# KiCad board FD_new_testblock2.kicad_pcb (continued)
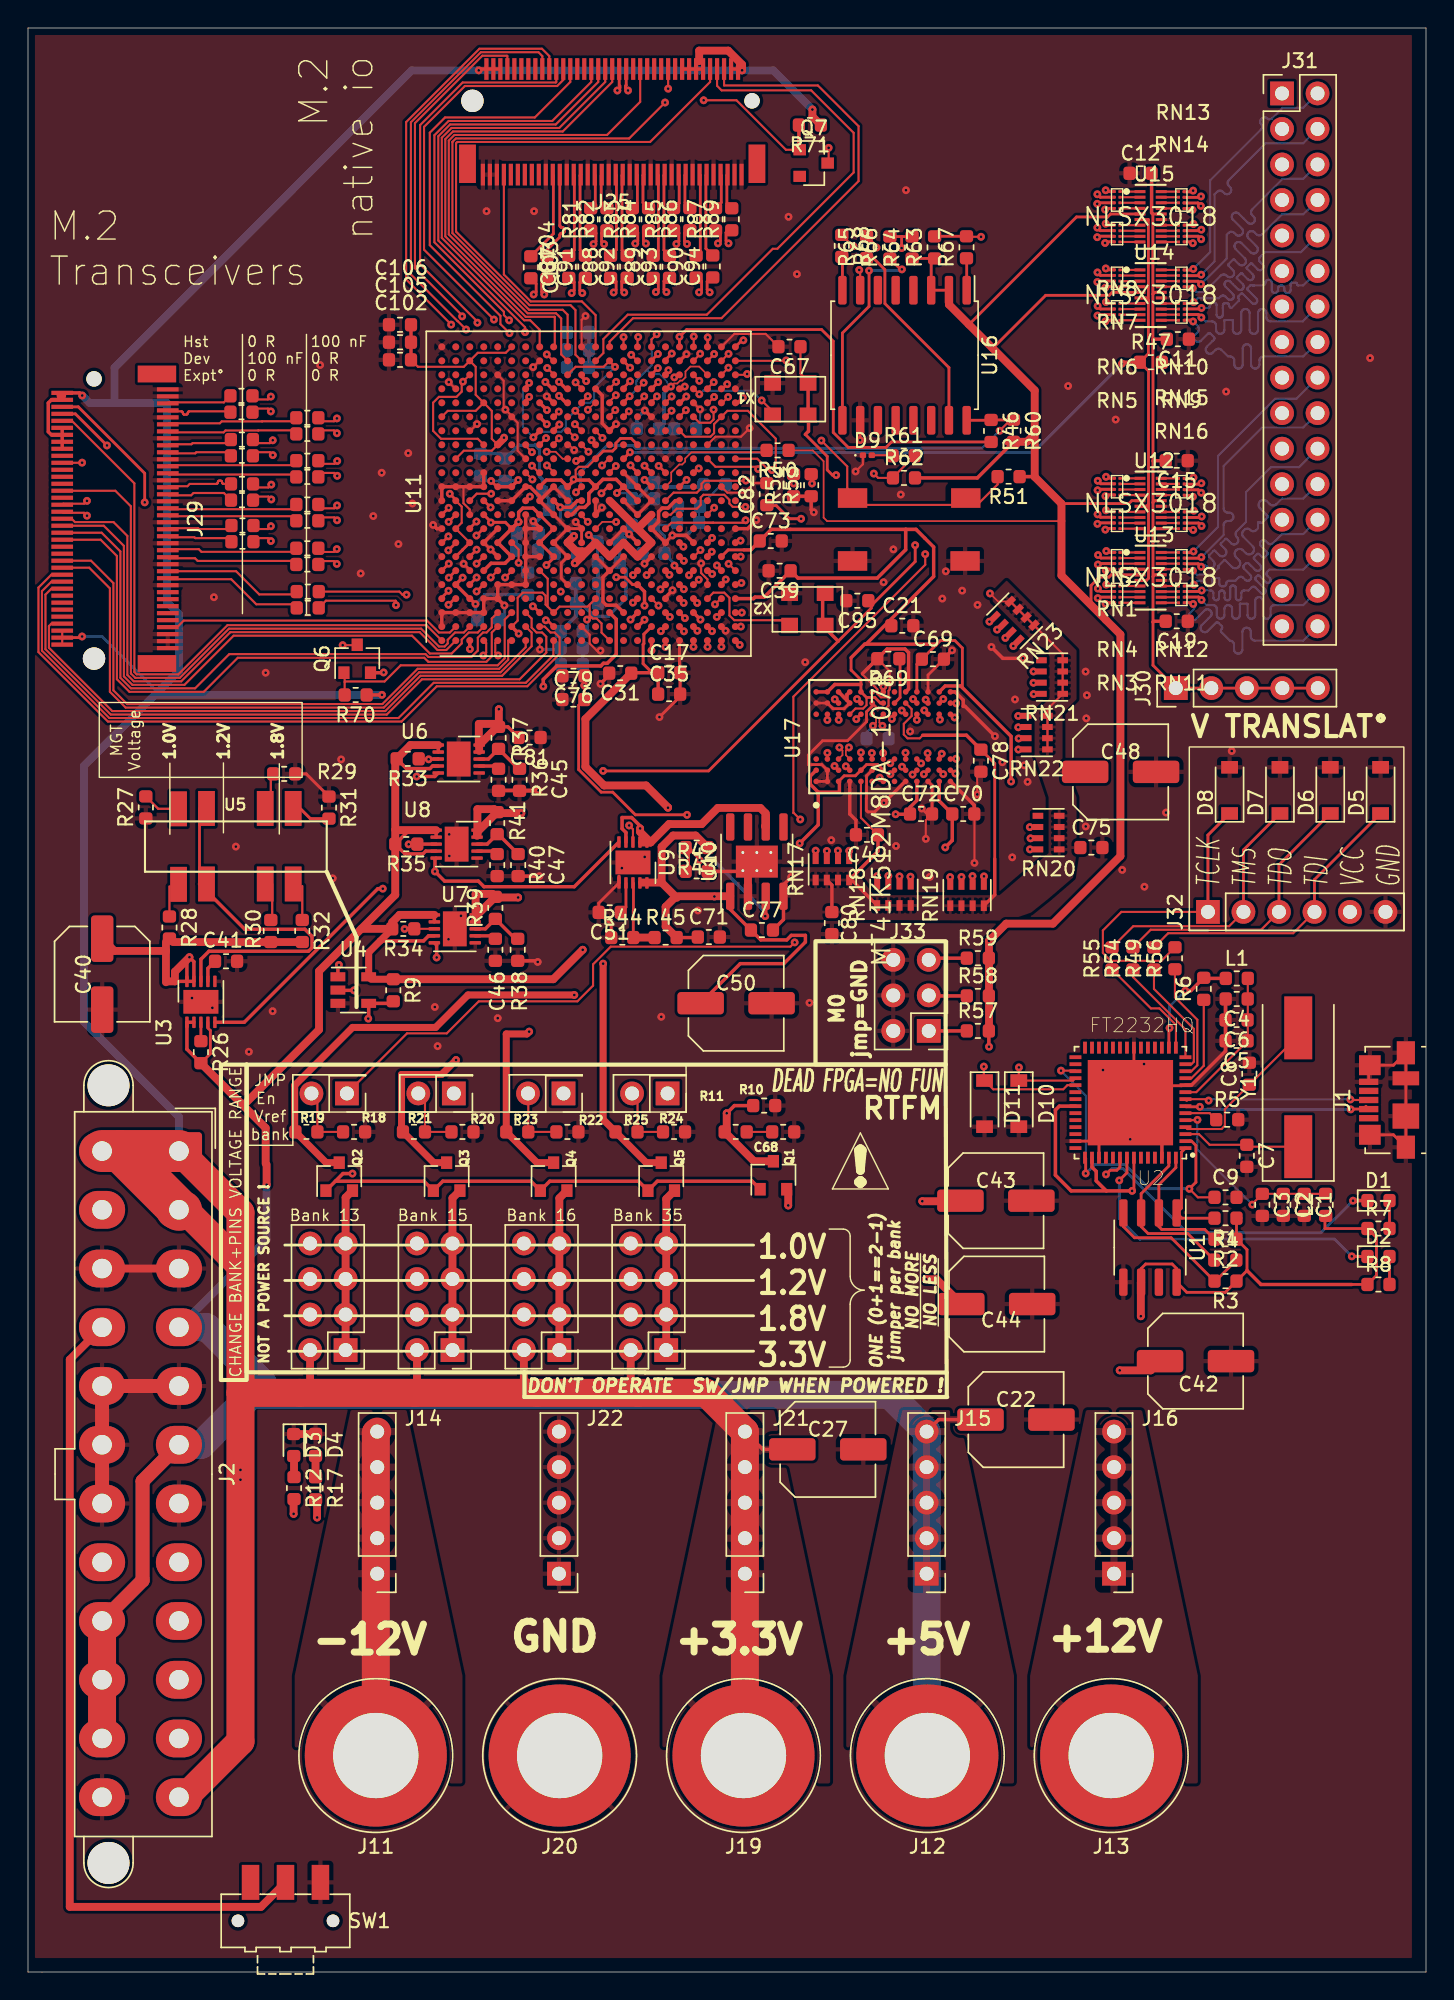
[diagram p0: board, top side]
## Routing (per net, layer and track width the routed paths; a pad name or vN(x,y) marks a point on that pad's centre or on a via; arc(x,y) is an arc through that point) (continued)
  vias: v1(45.81,114.53)
RN6_7: length 37.9
  Top w0.12: U11.V20 46.36,114.2 46.21,114.05
  Top w0.21: 77.71,120.91 76.56,120.91 v1(76.49,120.84)
  In2.Cu_SigDDR w0.15: v1(76.49,120.84) 76.12,120.47 76.11,120.46 76.09,120.45 76.07,120.45 76.05,120.45 76.03,120.45 76.01,120.46 75.98,120.49 75.96,120.5 75.94,120.5 75.92,120.5 75.9,120.5 75.88,120.49 75.87,120.47 75.57,120.18 75.56,120.16 75.55,120.14 75.55,120.13 75.55,120.1 75.55,120.08 75.56,120.07 75.57,120.05 75.64,119.99 75.63,119.98 75.8,119.81 75.83,119.77 75.86,119.72 75.87,119.67 75.87,119.61 75.86,119.56 75.83,119.51 75.8,119.47 75.72,119.39 75.67,119.35 75.63,119.33 75.57,119.32 75.52,119.32 75.47,119.33 75.42,119.35 75.33,119.42 75.29,119.44 75.23,119.45 75.18,119.45 75.13,119.44 75.08,119.42 75.04,119.39 71.94,116.29 64.58,116.29 64.56,116.29 64.55,116.3 64.54,116.31 64.53,116.32 64.52,116.33 64.51,116.34 64.51,116.38 64.5,116.39 64.49,116.4 64.48,116.42 64.47,116.42 64.46,116.43 64.44,116.43 63.98,116.43 63.96,116.43 63.95,116.42 63.94,116.42 63.93,116.4 63.92,116.39 63.91,116.38 63.91,116.36 63.91,116.19 63.91,116.17 63.9,116.15 63.89,116.13 63.87,116.12 63.86,116.11 63.84,116.1 63.81,116.1 63.41,116.1 63.38,116.1 63.36,116.11 63.35,116.12 63.33,116.13 63.32,116.15 63.31,116.17 63.31,116.19 63.31,116.36 63.31,116.38 63.3,116.39 63.29,116.4 63.28,116.42 63.27,116.42 63.26,116.43 63.24,116.43 62.78,116.43 62.76,116.43 62.75,116.42 62.74,116.42 62.73,116.4 62.72,116.39 62.71,116.38 62.71,116.36 62.71,116.19 62.71,116.17 62.7,116.15 62.69,116.13 62.67,116.12 62.66,116.11 62.64,116.1 62.61,116.1 62.21,116.1 62.18,116.1 62.16,116.11 62.15,116.12 62.13,116.13 62.12,116.15 62.11,116.17 62.11,116.19 62.11,116.36 62.11,116.38 62.1,116.39 62.09,116.4 62.08,116.42 62.07,116.42 62.06,116.43 62.04,116.43 61.58,116.43 61.56,116.43 61.55,116.42 61.54,116.42 61.53,116.4 61.52,116.39 61.51,116.38 61.51,116.36 61.51,116.19 61.51,116.17 61.5,116.15 61.49,116.13 61.47,116.12 61.46,116.11 61.44,116.1 61.41,116.1 61.01,116.1 60.98,116.1 60.96,116.11 60.95,116.12 60.93,116.13 60.92,116.15 60.91,116.17 60.91,116.19 60.91,116.36 60.91,116.38 60.9,116.39 60.89,116.4 60.88,116.42 60.87,116.42 60.86,116.43 60.84,116.43 60.38,116.43 60.36,116.43 60.35,116.42 60.34,116.42 60.33,116.4 60.32,116.39 60.31,116.38 60.31,116.36 60.31,116.29 60.31,116.29 60.31,116.19 60.3,116.17 60.3,116.15 60.28,116.13 60.27,116.12 60.25,116.11 60.23,116.1 60.21,116.1 59.8,116.1 59.78,116.1 59.76,116.11 59.74,116.12 59.73,116.13 59.72,116.15 59.71,116.17 59.7,116.22 59.7,116.24 59.68,116.25 59.67,116.27 59.65,116.28 59.63,116.29 59.61,116.29 52,116.29 50.71,115.01 50.47,115.24 49.89,115.24 49.13,114.48 46.67,114.48 46.67,114.44 46.22,113.99
  vias: v1(46.23,114.02)
RN6_8: length 36.3
  Top w0.15: v1(49.08,115.69) 49.08,115.68 U11.Y21
  Top w0.21: v1(77.05,120.43) 77.14,120.51 77.71,120.51
  In4.Cu_SigDDR w0.15: v1(77.05,120.43) 77.03,120.41 77.01,120.4 76.99,120.39 76.97,120.39 76.94,120.4 76.92,120.41 76.88,120.44 76.86,120.45 76.84,120.46 76.81,120.46 76.79,120.45 76.77,120.44 76.75,120.43 76.51,120.19 76.5,120.17 76.49,120.15 76.48,120.12 76.48,120.1 76.49,120.08 76.5,120.05 76.51,120.04 76.59,119.96 76.58,119.95 76.61,119.91 76.62,119.9 76.62,119.89 76.63,119.88 76.63,119.87 76.62,119.86 76.62,119.85 76.61,119.84 76.29,119.52 76.28,119.52 76.27,119.51 76.26,119.51 76.25,119.51 76.24,119.51 76.23,119.52 76.22,119.52 75.7,120.05 75.65,120.08 75.6,120.11 75.54,120.12 75.47,120.12 75.41,120.11 75.36,120.08 75.31,120.05 75.27,120 75.25,119.94 75.23,119.88 75.23,119.82 75.25,119.76 75.27,119.7 75.31,119.66 76,118.97 76.04,118.92 76.07,118.86 76.08,118.8 76.08,118.74 76.07,118.68 76.04,118.63 76,118.58 75.95,118.54 75.9,118.51 75.84,118.5 75.78,118.5 75.72,118.51 75.66,118.54 75.61,118.58 74.92,119.27 74.87,119.31 74.82,119.33 74.76,119.35 74.7,119.35 74.64,119.33 74.58,119.31 74.53,119.27 74.49,119.22 74.47,119.16 74.45,119.1 74.45,119.04 74.47,118.98 74.49,118.93 74.53,118.88 74.83,118.59 74.86,118.54 74.89,118.48 74.9,118.42 74.9,118.36 74.89,118.3 74.86,118.25 74.83,118.2 72.33,115.7 50.97,115.7 50.51,115.24 49.53,115.24 v1(49.08,115.69)
RN7_5: length 37.9
  Top w0.2: 44.6,115.23 v1(45.06,115.69)
  Top w0.21: v1(77.08,125.01) 77.18,124.91 77.7,124.91
  In2.Cu_SigDDR w0.15: v1(45.06,115.69) 45.74,116.37 45.74,117.09 47.03,118.38 51.91,118.38 51.91,118.37 69,118.37 76,125.37 76.72,125.37 v1(77.08,125.01)
  B.Cu_GND_DDR w0.21: v1(77.08,125.01) 77.06,124.98
RN7_6: length 37.6
  Top w0.2: 45.6,115.27 v1(46.05,115.72)
  Top w0.21: 77.7,124.51 76.7,124.51 v1(76.49,124.72)
  In2.Cu_SigDDR w0.15: 76.39,124.83 75.97,124.41 75.96,124.4 75.96,124.39 75.96,124.38 75.96,124.37 75.96,124.36 75.96,124.35 75.98,124.33 75.98,124.32 75.98,124.31 75.98,124.3 75.98,124.29 75.98,124.28 75.97,124.27 75.62,123.92 75.61,123.91 75.6,123.9 75.59,123.9 75.58,123.9 75.56,123.9 75.55,123.91 75.55,123.92 75.38,124.08 75.35,124.1 75.31,124.12 75.27,124.13 75.23,124.13 75.19,124.12 75.16,124.1 75.13,124.08 74.96,123.91 74.93,123.88 74.91,123.84 74.91,123.8 74.91,123.76 74.91,123.72 74.93,123.69 74.98,123.62 75,123.59 75.01,123.55 75.01,123.51 75,123.47 74.98,123.43 74.96,123.4 69.67,118.11 51.82,118.11 51.8,118.13 47.13,118.13 46.05,117.04 v1(46.05,115.72)
  In2.Cu_SigDDR w0.2: 76.39,124.83 76.49,124.73 v1(76.49,124.72)
RN7_7: length 42.8
  Top w0.2: 42.6,113.27 v1(43.07,113.74)
  Top w0.21: 77.7,124.11 76.55,124.11 v1(76.48,124.04)
  In2.Cu_SigDDR w0.15: v1(43.07,113.74) 43.36,113.74 44.85,115.23 46.24,115.23 46.51,115.5 46.51,116.15 47.06,116.7 47.06,117.05 47.88,117.88 51.7,117.88 51.79,117.78 70.02,117.78 73.6,121.36 73.61,121.38 73.62,121.4 73.63,121.42 73.63,121.44 73.62,121.46 73.61,121.48 73.59,121.51 73.58,121.53 73.57,121.55 73.57,121.57 73.58,121.59 73.59,121.61 73.6,121.63 73.89,121.92 73.91,121.93 73.93,121.94 73.95,121.95 73.97,121.95 73.99,121.94 74.01,121.93 74.03,121.92 74.28,121.66 74.33,121.62 74.38,121.6 74.44,121.58 74.5,121.58 74.56,121.6 74.62,121.62 74.66,121.66 74.71,121.7 74.74,121.75 74.77,121.81 74.78,121.86 74.78,121.93 74.77,121.98 74.74,122.04 74.71,122.09 74.45,122.34 74.44,122.36 74.43,122.38 74.42,122.4 74.42,122.42 74.43,122.44 74.44,122.46 74.45,122.48 74.74,122.77 74.76,122.78 74.78,122.79 74.8,122.8 74.82,122.8 74.84,122.79 74.86,122.78 74.87,122.77 75.13,122.51 75.18,122.47 75.23,122.45 75.29,122.43 75.35,122.43 75.41,122.45 75.47,122.47 75.51,122.51 75.56,122.55 75.59,122.6 75.62,122.65 75.63,122.71 75.63,122.77 75.62,122.83 75.59,122.89 75.56,122.93 75.37,123.13 75.37,123.13 75.3,123.2 75.29,123.21 75.28,123.23 75.27,123.25 75.27,123.27 75.28,123.29 75.29,123.31 75.3,123.33 75.59,123.62 75.61,123.63 75.63,123.64 75.65,123.65 75.67,123.65 75.69,123.64 75.71,123.63 75.74,123.61 75.76,123.6 75.78,123.59 75.8,123.59 75.82,123.6 75.84,123.61 75.86,123.62 76.38,124.14
  In2.Cu_SigDDR w0.2: v1(76.48,124.04) 76.38,124.14
RN7_8: length 36.2
  Top w0.15: U11.W21 48.08,115.68 v1(48.08,115.71)
  Top w0.21: v1(77.04,123.63) 77.13,123.71 77.7,123.71
  In2.Cu_SigDDR w0.15: 76.88,123.46 76.83,123.42 76.78,123.4 76.72,123.38 76.66,123.38 76.6,123.4 76.54,123.42 76.45,123.5 76.39,123.52 76.34,123.54 76.28,123.54 76.22,123.52 76.16,123.5 76.11,123.46 76.07,123.42 76.03,123.37 76.01,123.32 75.99,123.26 75.99,123.2 76.01,123.14 76.03,123.08 76.07,123.04 76.26,122.85 76.26,122.84 76.4,122.7 76.42,122.67 76.44,122.63 76.45,122.59 76.45,122.54 76.44,122.5 76.42,122.46 76.4,122.43 76.25,122.28 76.21,122.25 76.17,122.23 76.13,122.22 76.09,122.22 76.05,122.23 76.01,122.25 75.94,122.31 75.9,122.33 75.86,122.34 75.81,122.34 75.77,122.33 75.73,122.31 75.7,122.28 75.69,122.28 75.67,122.25 75.65,122.21 75.64,122.17 75.64,122.14 75.65,122.1 75.67,122.07 75.72,122.01 75.73,121.97 75.74,121.93 75.74,121.9 75.73,121.86 75.72,121.83 75.69,121.8 75.51,121.61 75.48,121.59 75.45,121.57 75.41,121.56 75.37,121.56 75.33,121.57 75.3,121.59 75.24,121.64 75.21,121.65 75.17,121.66 75.13,121.66 75.09,121.65 75.06,121.64 75.03,121.61 70.9,117.48 51.74,117.48 51.6,117.63 48.69,117.63 48.1,117.03 48.1,115.73
  In2.Cu_SigDDR w0.2: v1(48.08,115.71) 48.1,115.73 ; v1(77.04,123.63) 76.88,123.46
RN8_5: length 37.6
  Top w0.15: v1(47.62,116.94) 47.62,116.22
  Top w0.21: v1(77.08,127.4) 77.18,127.3 RN8.5
  In4.Cu_SigDDR w0.15: v1(47.62,116.94) 48.58,117.9 65.18,117.9 72.01,124.73 73.68,126.4 73.72,126.43 73.76,126.45 73.81,126.46 73.86,126.46 73.91,126.45 73.96,126.43 74.03,126.37 74.08,126.35 74.13,126.33 74.18,126.33 74.23,126.35 74.27,126.37 74.31,126.4 74.35,126.44 74.38,126.47 74.4,126.52 74.41,126.57 74.41,126.62 74.4,126.67 74.38,126.71 74.35,126.75 73.66,127.44 73.63,127.48 73.6,127.53 73.59,127.59 73.59,127.64 73.6,127.7 73.63,127.75 73.66,127.79 73.71,127.83 73.76,127.85 73.81,127.86 73.87,127.86 73.92,127.85 73.97,127.83 74.01,127.79 74.37,127.44 74.41,127.41 74.46,127.38 74.52,127.37 74.57,127.37 74.63,127.38 74.68,127.41 74.72,127.44 74.87,127.59 76.89,127.59
  In4.Cu_SigDDR w0.2: 76.89,127.59 v1(77.08,127.4)
  B.Cu_GND_DDR w0.21: v1(77.08,127.4) 77.06,127.37
RN8_6: length 35.6
  Top w0.2: v1(48.62,116.88) 48.62,116.22
  Top w0.21: v1(76.49,127.11) 76.7,126.9 RN8.6
  In4.Cu_SigDDR w0.15: v1(76.49,127.11) 75.43,127.11 74.1,125.78 74.07,125.76 74.03,125.74 73.99,125.73 73.96,125.73 73.92,125.74 73.88,125.76 73.82,125.8 73.78,125.82 73.75,125.83 73.71,125.83 73.67,125.82 73.63,125.8 73.6,125.78 73.57,125.75 73.54,125.72 73.53,125.68 73.52,125.64 73.52,125.6 73.53,125.56 73.54,125.53 73.57,125.5 73.69,125.37 73.68,125.36 73.8,125.23 73.83,125.2 73.84,125.16 73.85,125.13 73.85,125.09 73.84,125.05 73.83,125.01 73.8,124.98 73.77,124.95 73.74,124.92 73.7,124.91 73.66,124.9 73.62,124.9 73.58,124.91 73.55,124.92 73.52,124.95 73.27,125.2 73.24,125.22 73.2,125.24 73.16,125.25 73.12,125.25 73.09,125.24 73.05,125.22 73.02,125.2 72.99,125.16 72.96,125.13 72.94,125.1 72.93,125.06 72.93,125.02 72.94,124.98 72.96,124.95 73.01,124.88 73.03,124.85 73.04,124.81 73.04,124.77 73.03,124.73 73.01,124.7 72.99,124.67 71.67,123.35 65.92,117.6 49.34,117.6 v1(48.62,116.88)
RN8_7: length 34.5
  Top w0.15: U11.AA21 50.1,115.7 v1(50.11,115.7)
  Top w0.21: RN8.7 76.55,126.5 v1(76.48,126.43)
  In4.Cu_SigDDR w0.15: v1(76.48,126.43) 75.75,126.43 75.5,126.17 75.46,126.14 75.41,126.12 75.36,126.11 75.31,126.11 75.27,126.12 75.22,126.14 75.14,126.21 75.1,126.23 75.05,126.24 75,126.24 74.96,126.23 74.91,126.21 74.87,126.17 74.76,126.06 74.73,126.02 74.71,125.98 74.7,125.93 74.7,125.88 74.71,125.83 74.73,125.79 74.76,125.75 74.92,125.6 74.91,125.59 75.05,125.45 75.08,125.42 75.1,125.38 75.11,125.34 75.11,125.29 75.1,125.25 75.08,125.21 75.05,125.18 74.9,125.03 74.87,125 74.83,124.98 74.79,124.97 74.74,124.97 74.7,124.98 74.66,125 74.63,125.03 74.45,125.2 74.44,125.21 74.43,125.21 74.42,125.22 74.41,125.22 74.4,125.21 74.39,125.21 74.38,125.2 74.03,124.85 74.02,124.84 74.02,124.83 74.01,124.82 74.01,124.81 74.02,124.8 74.02,124.79 74.03,124.77 74.04,124.76 74.04,124.75 74.04,124.74 74.04,124.73 74.03,124.72 74.03,124.71 72.17,122.85 66.52,117.2 50.99,117.2 50.11,116.32 v1(50.11,115.7)
RN8_8: length 34.8
  Top w0.2: U11.AB22 51.07,116.67 v1(51.17,116.67)
  Top w0.21: v1(77.04,126.02) 77.13,126.1 RN8.8
  In4.Cu_SigDDR w0.15: v1(51.17,116.67) 51.84,116 66.26,116 71.73,121.48 71.79,121.52 71.85,121.55 71.91,121.56 71.98,121.56 72.05,121.55 72.11,121.52 72.16,121.48 72.33,121.31 72.38,121.26 72.44,121.24 72.51,121.22 72.57,121.22 72.64,121.24 72.7,121.26 72.75,121.31 72.79,121.36 72.82,121.42 72.84,121.49 72.84,121.55 72.82,121.62 72.79,121.68 72.75,121.73 72.29,122.2 72.27,122.22 72.26,122.24 72.25,122.27 72.25,122.29 72.26,122.32 72.27,122.34 72.29,122.36 72.54,122.62 72.56,122.64 72.59,122.65 72.61,122.65 72.64,122.65 72.67,122.65 72.69,122.64 72.71,122.62 73.18,122.16 73.23,122.11 73.29,122.08 73.35,122.07 73.42,122.07 73.49,122.08 73.55,122.11 73.6,122.16 73.64,122.21 73.67,122.27 73.69,122.33 73.69,122.4 73.67,122.47 73.64,122.53 73.6,122.58 73.43,122.75 73.39,122.8 73.36,122.86 73.35,122.93 73.35,122.99 73.36,123.06 73.39,123.12 73.43,123.17 76.2,125.94 76.97,125.94 v1(77.04,126.02) 77,125.97
VTRANS_1_1: length 18.3
  Top w0.21: v1(83.34,127.37) 83.26,127.29 82.68,127.29
  In2.Cu_SigDDR w0.15: J31.1 86.17,130.79 86.13,130.74 86.1,130.68 86.08,130.61 86.08,130.54 86.1,130.48 86.13,130.42 86.17,130.37 86.43,130.11 86.47,130.06 86.5,130 86.51,129.93 86.51,129.86 86.5,129.8 86.47,129.74 86.43,129.69 86.37,129.64 86.31,129.62 86.25,129.6 86.18,129.6 86.12,129.62 86.05,129.64 86,129.69 85.07,130.62 85.01,130.66 84.95,130.69 84.89,130.71 84.82,130.71 84.76,130.69 84.69,130.66 84.64,130.62 84.6,130.57 84.57,130.51 84.56,130.44 84.56,130.38 84.57,130.31 84.6,130.25 84.64,130.2 85.58,129.26 85.62,129.21 85.65,129.15 85.66,129.08 85.66,129.02 85.65,128.95 85.62,128.89 85.58,128.84 85.53,128.8 85.46,128.77 85.4,128.75 85.33,128.75 85.27,128.77 85.21,128.8 85.15,128.84 84.22,129.77 84.17,129.82 84.1,129.84 84.04,129.86 83.97,129.86 83.91,129.84 83.85,129.82 83.79,129.77 83.75,129.72 83.72,129.66 83.71,129.59 83.71,129.53 83.72,129.46 83.75,129.4 83.79,129.35 84.73,128.41 84.77,128.36 84.8,128.3 84.82,128.24 84.82,128.17 84.8,128.1 84.77,128.04 84.73,127.99 84.68,127.95 84.62,127.92 84.55,127.9 84.48,127.9 84.42,127.92 84.36,127.95 84.3,127.99 84.05,128.25 84,128.29 83.94,128.32 83.87,128.33 83.8,128.33 83.74,128.32 83.68,128.29 83.62,128.25 83.34,127.96 v1(83.34,127.37)
VTRANS_1_2: length 18.4
  Top w0.21: 82.68,126.89 83.83,126.89 v1(83.9,126.96)
  In2.Cu_SigDDR w0.15: v1(83.9,126.96) 84.88,126.96 85.81,127.89 85.84,127.93 85.87,127.98 85.88,128.04 85.88,128.1 85.87,128.15 85.84,128.2 85.77,128.29 85.75,128.34 85.74,128.4 85.74,128.45 85.75,128.51 85.77,128.56 85.81,128.61 85.84,128.64 85.88,128.67 85.94,128.7 85.99,128.71 86.05,128.71 86.1,128.7 86.15,128.67 86.2,128.64 86.86,127.98 86.91,127.94 86.96,127.91 87.02,127.9 87.08,127.9 87.14,127.91 87.2,127.94 87.25,127.98 87.29,128.02 87.31,128.08 87.33,128.14 87.33,128.2 87.31,128.26 87.29,128.32 87.25,128.36 86.59,129.03 86.55,129.07 86.53,129.12 86.51,129.18 86.51,129.23 86.53,129.29 86.55,129.34 86.59,129.38 86.62,129.41 86.66,129.45 86.71,129.47 86.77,129.49 86.83,129.49 86.88,129.47 86.93,129.45 86.98,129.41 87.64,128.75 87.69,128.71 87.74,128.69 87.8,128.67 87.86,128.67 87.92,128.69 87.98,128.71 88.03,128.75 88.06,128.8 88.09,128.86 88.1,128.92 88.1,128.98 88.09,129.04 88.06,129.09 88.03,129.14 87.06,130.11 87.02,130.15 87,130.21 86.98,130.27 86.98,130.33 87,130.39 87.02,130.45 87.06,130.49 87.11,130.53 87.17,130.56 87.23,130.57 87.29,130.57 87.35,130.56 87.4,130.53 87.45,130.49 88.27,129.67 88.32,129.63 88.38,129.61 88.44,129.59 88.5,129.59 88.56,129.61 88.61,129.63 88.66,129.67 88.7,129.72 88.73,129.78 88.74,129.84 88.74,129.9 88.73,129.96 88.7,130.01 88.66,130.06 87.84,130.88 87.8,130.93 87.77,130.99 87.76,131.05 87.76,131.11 87.77,131.17 87.8,131.22 87.84,131.27 87.89,131.31 87.94,131.34 88,131.35 88.06,131.35 88.12,131.34 88.18,131.31 88.23,131.27 88.52,130.99 88.56,130.95 88.62,130.92 88.68,130.91 88.74,130.91 88.8,130.92 88.86,130.95 88.91,130.99 J31.3
VTRANS_1_3: length 17.6
  Top w0.21: 82.68,126.49 83.68,126.49 v1(83.89,126.27)
  In2.Cu_SigDDR w0.15: v1(83.89,126.27) 84.34,126.27 84.38,126.27 84.41,126.26 84.43,126.24 84.46,126.22 84.47,126.19 84.48,126.16 84.49,126.1 84.5,126.07 84.52,126.04 84.54,126.02 84.57,126 84.6,125.99 84.63,125.99 84.79,125.99 84.83,125.99 84.86,126 84.88,126.02 84.91,126.04 84.92,126.07 84.93,126.1 84.94,126.13 84.94,126.27 84.94,126.27 84.94,126.54 84.95,126.59 84.97,126.63 84.99,126.68 85.03,126.71 85.07,126.74 85.12,126.76 85.17,126.76 85.22,126.76 85.27,126.74 85.31,126.71 85.35,126.68 85.37,126.63 85.39,126.59 85.39,126.54 85.39,126.13 85.4,126.1 85.41,126.07 85.43,126.04 85.45,126.02 85.48,126 85.51,125.99 85.54,125.99 85.7,125.99 85.73,125.99 85.76,126 85.79,126.02 85.81,126.04 85.83,126.07 85.84,126.1 85.85,126.16 85.86,126.19 85.88,126.22 85.9,126.24 85.93,126.26 85.96,126.27 85.99,126.27 86.73,126.27 86.77,126.31 86.82,126.33 86.87,126.34 86.92,126.34 86.97,126.33 87.01,126.31 87.05,126.27 87.29,126.04 87.33,126 87.38,125.98 87.42,125.97 87.48,125.97 87.52,125.98 87.57,126 87.61,126.04 87.64,126.08 87.66,126.12 87.67,126.17 87.67,126.22 87.66,126.27 87.64,126.31 87.61,126.35 86.81,127.15 86.78,127.19 86.76,127.23 86.75,127.28 86.75,127.33 86.76,127.38 86.78,127.43 86.81,127.47 86.85,127.5 86.9,127.52 86.95,127.53 87,127.53 87.05,127.52 87.09,127.5 87.13,127.47 87.93,126.67 87.97,126.64 88.01,126.62 88.06,126.61 88.11,126.61 88.16,126.62 88.21,126.64 88.25,126.67 88.28,126.71 88.3,126.76 88.31,126.81 88.31,126.86 88.3,126.91 88.28,126.95 88.25,126.99 87.59,127.64 87.56,127.68 87.54,127.73 87.53,127.78 87.53,127.83 87.54,127.88 87.56,127.92 87.59,127.96 87.63,127.99 87.68,128.02 87.73,128.03 87.78,128.03 87.83,128.02 87.87,127.99 87.91,127.96 88.53,127.34 88.57,127.31 88.61,127.29 88.66,127.28 88.71,127.28 88.76,127.29 88.81,127.31 88.85,127.34 88.88,127.38 88.9,127.43 88.91,127.48 88.91,127.53 88.9,127.58 88.88,127.62 88.85,127.66 88.26,128.25 88.23,128.28 88.21,128.33 88.2,128.38 88.2,128.43 88.21,128.48 88.23,128.52 88.26,128.56 88.3,128.59 88.35,128.62 88.4,128.63 88.45,128.63 88.5,128.62 88.54,128.59 88.58,128.56 89.2,127.95 89.24,127.91 89.28,127.89 89.33,127.88 89.38,127.88 89.43,127.89 89.48,127.91 89.52,127.95 89.55,127.98 89.57,128.03 89.58,128.08 89.58,128.13 89.57,128.18 89.55,128.22 89.52,128.26 89.28,128.5 89.25,128.54 89.23,128.59 89.22,128.64
VTRANS_1_4: length 17.5
  Top w0.21: v1(83.3,125.99) 83.2,126.09 82.68,126.09
  In2.Cu_SigDDR w0.15: 88.99,127.01 88.95,127.03 88.9,127.04 88.85,127.04 88.8,127.03 88.75,127.01 88.71,126.97 88.68,126.93 88.66,126.89 88.65,126.84 88.65,126.79 88.66,126.74 88.68,126.7 88.71,126.66 89.76,125.61 89.79,125.57 89.82,125.52 89.83,125.47 89.83,125.42 89.82,125.38 89.79,125.33 89.76,125.29 89.72,125.26 89.68,125.24 89.63,125.23 89.58,125.23 89.53,125.24 89.48,125.26 89.44,125.29 89.03,125.71 88.99,125.74 88.94,125.76 88.89,125.77 88.84,125.77 88.79,125.76 88.75,125.74 88.71,125.71 87.78,125.71 87.73,125.7 87.68,125.69 87.64,125.66 87.6,125.62 87.57,125.58 87.56,125.53 87.55,125.48 87.55,124.89 87.55,124.84 87.53,124.79 87.5,124.75 87.47,124.72 87.42,124.69 87.38,124.67 87.33,124.67 87.28,124.67 87.23,124.69 87.19,124.72 87.15,124.75 87.12,124.79 87.11,124.84 87.1,124.89 87.1,125.8 87.1,125.82 87.09,125.84 87.08,125.86 87.07,125.88 87.05,125.89 87.03,125.9 87.01,125.9 86.75,125.9 86.73,125.9 86.71,125.89 86.69,125.88 86.67,125.86 86.66,125.84 86.65,125.82 86.65,125.8 86.65,124.89 86.65,124.84 86.63,124.79 86.6,124.75 86.57,124.72 86.52,124.69 86.48,124.67 86.43,124.67 86.38,124.67 86.33,124.69 86.29,124.72 86.25,124.75 86.22,124.79 86.21,124.84 86.2,124.89 86.2,125.48 86.2,125.53 86.18,125.58 86.15,125.62 86.12,125.66 86.07,125.69 86.03,125.7 85.98,125.71 85.93,125.7 85.88,125.69 85.84,125.66 85.8,125.62 85.77,125.58 85.76,125.53 85.75,125.48 85.75,124.89 85.75,124.84 85.73,124.79 85.7,124.75 85.67,124.72 85.62,124.69 85.58,124.67 85.53,124.67 85.48,124.67 85.43,124.69 85.39,124.72 85.35,124.75 85.32,124.79 85.31,124.84 85.3,124.89 85.3,125.48 85.3,125.53 85.28,125.58 85.25,125.62 85.22,125.66 85.17,125.69 85.13,125.7 85.08,125.71 85.03,125.7 84.98,125.69 84.94,125.66 84.9,125.62 84.87,125.58 84.86,125.53 84.85,125.48 84.85,124.89 84.85,124.84 84.83,124.79 84.8,124.75 84.77,124.72 84.72,124.69 84.68,124.67 84.63,124.67 84.58,124.67 84.53,124.69 84.49,124.72 84.45,124.75 84.42,124.79 84.41,124.84 84.4,124.89 84.4,125.76 84.4,125.77 84.4,125.78 84.39,125.79 84.38,125.8 84.37,125.8 84.36,125.81 84.35,125.81 84,125.81 83.99,125.81 83.98,125.8 83.97,125.8 83.96,125.79 83.96,125.78 83.95,125.77 83.95,125.75 83.95,125.74 83.94,125.73 83.93,125.72 83.92,125.71 83.91,125.71 83.9,125.71 83.58,125.71 v1(83.3,125.99)
VTRANS_1_5: length 17.7
  Top w0.21: v1(83.36,124.99) 83.28,124.91 82.71,124.91
  In4.Cu_SigDDR w0.15: 89.68,124.18 88.59,125.27 88.2,125.27 88.14,125.28 88.09,125.3 88.04,125.33 88,125.37 87.97,125.41 87.95,125.47 87.95,125.52 87.95,126.07 87.94,126.13 87.92,126.18 87.89,126.23 87.85,126.27 87.8,126.3 87.75,126.32 87.7,126.32 87.64,126.32 87.59,126.3 87.54,126.27 87.5,126.23 87.47,126.18 87.45,126.13 87.45,126.07 87.45,124.87 87.44,124.82 87.42,124.76 87.39,124.72 87.35,124.68 87.3,124.65 87.25,124.63 87.2,124.62 87.14,124.63 87.09,124.65 87.04,124.68 87,124.72 86.97,124.76 86.95,124.82 86.95,124.87 86.95,126.07 86.94,126.13 86.92,126.18 86.89,126.23 86.85,126.27 86.8,126.3 86.75,126.32 86.7,126.32 86.64,126.32 86.59,126.3 86.54,126.27 86.5,126.23 86.47,126.18 86.45,126.13 86.45,126.07 86.45,125.07 86.44,125.03 86.43,124.98 86.4,124.95 86.37,124.91 86.33,124.89 86.29,124.88 86.25,124.87 86.15,124.87 86.1,124.88 86.06,124.89 86.02,124.91 85.99,124.95 85.97,124.98 85.95,125.03 85.95,125.07 85.95,126.07 85.94,126.13 85.92,126.18 85.89,126.23 85.85,126.27 85.8,126.3 85.75,126.32 85.7,126.32 85.64,126.32 85.59,126.3 85.54,126.27 85.5,126.23 85.47,126.18 85.45,126.13 85.45,126.07 85.45,125.07 85.44,125.03 85.43,124.98 85.4,124.95 85.37,124.91 85.33,124.89 85.29,124.88 85.25,124.87 85.15,124.87 85.1,124.88 85.06,124.89 85.02,124.91 84.99,124.95 84.97,124.98 84.95,125.03 84.95,125.07 84.95,126.07 84.94,126.13 84.92,126.18 84.89,126.23 84.85,126.27 84.8,126.3 84.75,126.32 84.7,126.32 84.64,126.32 84.59,126.3 84.54,126.27 84.5,126.23 84.47,126.18 84.45,126.13 84.45,126.07 84.45,125.15 84.44,125.12 84.43,125.09 84.42,125.07 84.4,125.05 84.38,125.03 84.35,125.02 84.32,125.02 84.07,125.02 84.04,125.02 84.02,125.03 83.99,125.05 83.97,125.07 83.96,125.09 83.95,125.12 83.94,125.17 83.93,125.2 83.92,125.22 83.9,125.24 83.88,125.26 83.85,125.27 83.82,125.27 83.64,125.27 v1(83.36,124.99)
VTRANS_1_6: length 17
  Top w0.21: 82.71,124.51 83.86,124.51 v1(83.93,124.58)
  In4.Cu_SigDDR w0.15: 89.47,122.24 89.74,122.52 89.78,122.57 89.81,122.62 89.82,122.68 89.82,122.74 89.81,122.8 89.78,122.86 89.74,122.91 89.69,122.94 89.64,122.97 89.58,122.98 89.51,122.98 89.45,122.97 89.4,122.94 89.35,122.91 88.41,121.97 88.37,121.93 88.31,121.9 88.25,121.89 88.19,121.89 88.13,121.9 88.07,121.93 88.03,121.97 87.99,122.02 87.96,122.07 87.95,122.13 87.95,122.19 87.96,122.25 87.99,122.31 88.03,122.36 88.79,123.12 88.82,123.17 88.85,123.22 88.86,123.28 88.86,123.34 88.85,123.4 88.82,123.46 88.79,123.51 88.74,123.55 88.68,123.57 88.62,123.59 88.56,123.59 88.5,123.57 88.44,123.55 88.4,123.51 87.64,122.75 87.59,122.71 87.53,122.68 87.47,122.67 87.41,122.67 87.35,122.68 87.3,122.71 87.25,122.75 87.21,122.79 87.18,122.85 87.17,122.91 87.17,122.97 87.18,123.03 87.21,123.09 87.25,123.14 88.18,124.07 88.22,124.12 88.25,124.18 88.26,124.24 88.26,124.3 88.25,124.36 88.22,124.41 88.18,124.46 88.14,124.5 88.08,124.53 88.02,124.54 87.96,124.54 87.9,124.53 87.84,124.5 87.8,124.46 86.86,123.52 86.81,123.49 86.75,123.46 86.69,123.45 86.63,123.45 86.57,123.46 86.52,123.49 86.47,123.52 86.43,123.57 86.4,123.63 86.39,123.69 86.39,123.75 86.4,123.81 86.43,123.87 86.47,123.91 86.74,124.19 86.78,124.24 86.81,124.29 86.82,124.35 86.82,124.41 86.81,124.47 86.78,124.53 86.74,124.58 85.5,124.58 85.46,124.57 85.42,124.56 85.38,124.53 85.35,124.5 85.33,124.47 85.31,124.43 85.31,124.34 85.29,124.3 85.27,124.26 85.24,124.23 85.2,124.21 85.16,124.19 85.12,124.19 84.95,124.19 84.91,124.19 84.87,124.21 84.83,124.23 84.8,124.26 84.78,124.3 84.76,124.34 84.76,124.43 84.74,124.47 84.72,124.5 84.69,124.53 84.65,124.56 84.61,124.57 84.57,124.58 v1(83.93,124.58)
VTRANS_1_7: length 17.8
  Top w0.21: v1(83.92,123.9) 83.7,124.11 82.71,124.11
  In4.Cu_SigDDR w0.15: v1(83.92,123.9) 84.88,123.9 85.03,123.75 85.07,123.7 85.1,123.64 85.12,123.57 85.12,123.5 85.1,123.44 85.07,123.38 85.03,123.33 84.79,123.09 84.75,123.03 84.72,122.97 84.71,122.91 84.71,122.84 84.72,122.78 84.75,122.72 84.79,122.66 84.84,122.62 84.9,122.59 84.97,122.58 85.04,122.58 85.1,122.59 85.16,122.62 85.22,122.66 85.86,123.3 85.9,123.34 85.96,123.37 86.02,123.38 86.08,123.38 86.13,123.37 86.19,123.34 86.24,123.3 86.28,123.26 86.32,123.21 86.34,123.16 86.36,123.1 86.36,123.04 86.34,122.98 86.32,122.93 86.28,122.88 85.64,122.24 85.6,122.19 85.57,122.13 85.55,122.06 85.55,121.99 85.57,121.93 85.6,121.87 85.64,121.81 85.69,121.77 85.75,121.74 85.82,121.73 85.89,121.73 85.95,121.74 86.01,121.77 86.06,121.81 86.7,122.45 86.75,122.49 86.81,122.52 86.86,122.53 86.92,122.53 86.98,122.52 87.04,122.49 87.08,122.45 87.13,122.41 87.17,122.36 87.19,122.31 87.21,122.25 87.21,122.19 87.19,122.13 87.17,122.08 87.13,122.03 86.49,121.39 86.45,121.34 86.42,121.28 86.4,121.21 86.4,121.14 86.42,121.08 86.45,121.02 86.49,120.97 86.54,120.92 86.6,120.9 86.67,120.88 86.73,120.88 86.8,120.9 86.86,120.92 86.91,120.97 87.55,121.61 87.6,121.64 87.65,121.67 87.71,121.68 87.77,121.68 87.83,121.67 87.89,121.64 87.93,121.61 87.98,121.56 88.02,121.51 88.04,121.46 88.05,121.4 88.05,121.34 88.04,121.28 88.02,121.23 87.98,121.18 87.34,120.54 87.3,120.49 87.27,120.43 87.25,120.36 87.25,120.3 87.27,120.23 87.3,120.17 87.34,120.12 87.39,120.08 87.45,120.05 87.52,120.03 87.58,120.03 87.65,120.05 87.71,120.08 87.76,120.12 88,120.36 88.05,120.4 88.11,120.43 88.18,120.44 88.25,120.44 88.31,120.43 88.37,120.4 88.42,120.36 J31.13
